# Altium PCB IntelligentCarFor51PcbDoc.PcbDoc (part 13 of 14) (continued)
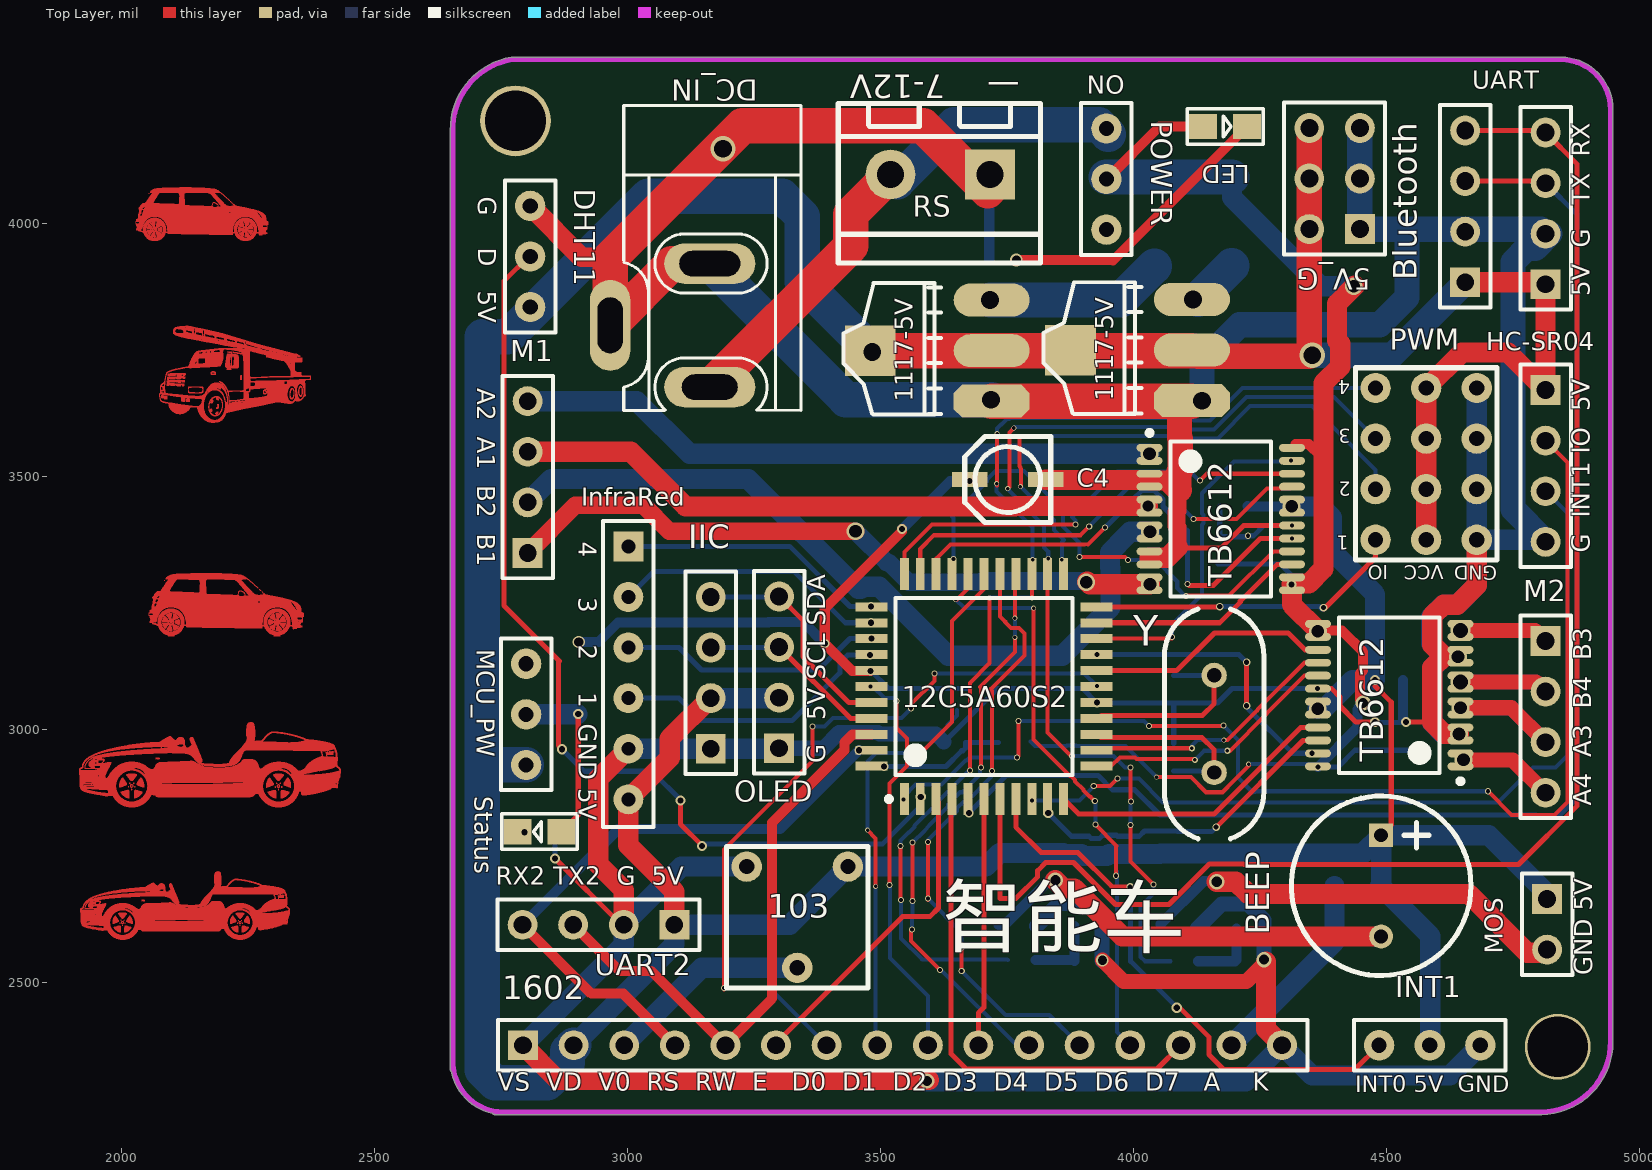
[diagram p0: Top Layer view]
## Nets (pads, with @x,y where several pads share a name; then routed paths per layer and width w, separated by ;. In a path a pad name is that pad's centre, name@x,y a point inside that pad or via, vN(x,y) a via of type N, cw(c..) or ccw(c..) an arc to the next point about the centre after c; other vN are vias at no path point) (continued)
2025,2903.4 ; 2016,2912.9 2025,2912.9 ; 2016.5,2902.4 2024.5,2902.4 ; 2017,2854.4 2044.5,2854.4 ; 2017,2901.9 2024,2901.9 ; 2017.5,2887.9 2018.5,2887.9 ; 2017.5,2888.4 2018.5,2888.4 ; 2017.5,2888.9 2018.5,2888.9 ; 2017.5,2889.4 2018.5,2889.4 ; 2017.5,2889.9 2018.5,2889.9 ; 2017.5,2901.4 2023.5,2901.4 ; 2018,2886.9 2019.5,2886.9 ; 2018,2887.4 2019,2887.4 ; 2018,2890.4 2019,2890.4 ; 2018,2900.4 2022.5,2900.4 ; 2018,2900.9 2023,2900.9 ; 2018,2969.9 2110.5,2969.9 ; 2018.5,2886.4 2022,2886.4 ; 2018.5,2890.9 2022.5,2890.9 ; 2018.5,2899.9 2022,2899.9 ; 2018.5,2958.9 2152,2958.9 ; 2019,2891.4 2021.5,2891.4 ; 2019,2899.4 2022,2899.4 ; 2019.5,2881.9 2021.5,2881.9 ; 2019.5,2882.4 2021.5,2882.4 ; 2019.5,2882.9 2021,2882.9 ; 2019.5,2885.9 2021,2885.9 ; 2020,2881.4 2020.5,2881.4 ; 2020.5,2846.9 2021.5,2846.9 ; 2021,2886.9 2022.5,2886.9 ; 2021.5,2890.4 2023,2890.4 ; 2021.5,2970.4 2111,2970.4 ; 2022,2887.4 2023,2887.4 ; 2022,2887.9 2023,2887.9 ; 2022,2889.9 2023,2889.9 ; 2022.5,2888.4 2023.5,2888.4 ; 2022.5,2888.9 2023.5,2888.9 ; 2022.5,2889.4 2023.5,2889.4 ; 2023.5,2893.4 2025,2893.4 ; 2023.5,2893.9 2025,2893.9 ; 2023.5,2894.4 2025,2894.4 ; 2024,2894.9 2025,2894.9 ; 2024.5,2919.9 2034.5,2919.9 ; 2025,2864.9 2026,2864.9 ; 2025,2865.4 2027.5,2865.4 ; 2025,2865.9 2029,2865.9 ; 2025,2866.4 2030.5,2866.4 ; 2025,2866.9 2031.5,2866.9 ; 2025,2867.4 2032.5,2867.4 ; 2025,2867.9 2033.5,2867.9 ; 2025,2868.4 2034,2868.4 ; 2025,2868.9 2034.5,2868.9 ; 2025,2869.4 2035.5,2869.4 ; 2025,2869.9 2036,2869.9 ; 2025,2870.4 2036.5,2870.4 ; 2025,2870.9 2037,2870.9 ; 2025,2871.4 2037.5,2871.4 ; 2025,2871.9 2038,2871.9 ; 2025,2872.4 2038.5,2872.4 ; 2025,2872.9 2039,2872.9 ; 2025,2873.4 2039.5,2873.4 ; 2025,2873.9 2040,2873.9 ; 2025,2874.4 2040.5,2874.4 ; 2025,2874.9 2040.5,2874.9 ; 2025,2875.4 2041,2875.4 ; 2025,2970.9 2103.5,2970.9 ; 2025.5,2875.9 2041.5,2875.9 ; 2025.5,2876.4 2041.5,2876.4 ; 2025.5,2876.9 2041.5,2876.9 ; 2025.5,2877.4 2041,2877.4 ; 2025.5,2877.9 2039,2877.9 ; 2025.5,2878.4 2037,2878.4 ; 2025.5,2878.9 2035,2878.9 ; 2025.5,2879.4 2033.5,2879.4 ; 2025.5,2886.9 2027.5,2886.9 ; 2025.5,2959.4 2152,2959.4 ; 2026,2857.9 2049,2857.9 ; 2026,2879.9 2032,2879.9 ; 2026,2880.4 2030.5,2880.4 ; 2026,2886.4 2027.5,2886.4 ; 2026,2887.4 2027,2887.4 ; 2027,2880.9 2028,2880.9 ; 2027.5,2919.4 2035.5,2919.4 ; 2028,2858.4 2049.5,2858.4 ; 2029,2918.9 2036.5,2918.9 ; 2029.5,2858.9 2050,2858.9 ; 2029.5,2971.4 2103.5,2971.4 ; 2030,2891.9 2045,2891.9 ; 2030,2892.4 2044.5,2892.4 ; 2030,2892.9 2044.5,2892.9 ; 2030.5,2891.4 2045,2891.4 ; 2030.5,2893.4 2044.5,2893.4 ; 2030.5,2893.9 2044.5,2893.9 ; 2030.5,2918.4 2037,2918.4 ; 2031,2859.4 2050.5,2859.4 ; 2031,2890.9 2045,2890.9 ; 2031,2894.4 2044.5,2894.4 ; 2031,2894.9 2044,2894.9 ; 2031,2959.9 2151.5,2959.9 ; 2031.5,2890.4 2045,2890.4 ; 2031.5,2895.4 2044,2895.4 ; 2031.5,2895.9 2044,2895.9 ; 2031.5,2924.9 2052.5,2924.9 ; 2032,2896.4 2043.5,2896.4 ; 2032,2917.9 2038,2917.9 ; 2032.5,2859.9 2051,2859.9 ; 2032.5,2896.9 2043.5,2896.9 ; 2032.5,2897.4 2043.5,2897.4 ; 2033,2889.9 2045,2889.9 ; 2033,2897.9 2043,2897.9 ; 2033,2917.4 2038.5,2917.4 ; 2033.5,2860.4 2051.5,2860.4 ; 2033.5,2898.4 2043,2898.4 ; 2033.5,2898.9 2043,2898.9 ; 2033.5,2924.4 2053.5,2924.4 ; 2033.5,2971.9 2104,2971.9 ; 2034,2899.4 2042.5,2899.4 ; 2034,2916.9 2039.5,2916.9 ; 2034.5,2889.4 2045,2889.4 ; 2034.5,2899.9 2042.5,2899.9 ; 2034.5,2900.4 2042,2900.4 ; 2034.5,2923.9 2054.5,2923.9 ; 2035,2860.9 2052,2860.9 ; 2035,2900.9 2042,2900.9 ; 2035,2916.4 2040,2916.4 ; 2035.5,2861.4 2052.5,2861.4 ; 2035.5,2901.4 2041.5,2901.4 ; 2035.5,2901.9 2041,2901.9 ; 2036,2888.9 2045,2888.9 ; 2036,2902.4 2041,2902.4 ; 2036,2915.9 2040.5,2915.9 ; 2036,2923.4 2055,2923.4 ; 2036.5,2861.9 2052.5,2861.9 ; 2036.5,2902.9 2040.5,2902.9 ; 2037,2862.4 2053,2862.4 ; 2037,2888.4 2045,2888.4 ; 2037,2903.4 2040,2903.4 ; 2037,2903.9 2040,2903.9 ; 2037,2915.4 2041,2915.4 ; 2037,2922.9 2056.5,2922.9 ; 2037.5,2904.4 2039.5,2904.4 ; 2037.5,2904.9 2039,2904.9 ; 2037.5,2914.9 2041.5,2914.9 ; 2037.5,2960.4 2151.5,2960.4 ; 2037.5,2972.4 2105.5,2972.4 ; 2038,2862.9 2053.5,2862.9 ; 2038,2922.4 2057.5,2922.4 ; 2038.5,2887.9 2045,2887.9 ; 2038.5,2914.4 2042,2914.4 ; 2039,2863.4 2054,2863.4 ; 2039,2913.9 2042.5,2913.9 ; 2039,2921.9 2058.5,2921.9 ; 2039.5,2863.9 2054.5,2863.9 ; 2039.5,2887.4 2045,2887.4 ; 2039.5,2913.4 2043,2913.4 ; 2040,2864.4 2055,2864.4 ; 2040,2921.4 2060.5,2921.4 ; 2040.5,2864.9 2055,2864.9 ; 2040.5,2912.9 2043.5,2912.9 ; 2040.5,2920.9 2321.5,2920.9 ; 2041,2865.4 2055.5,2865.4 ; 2041,2912.4 2044,2912.4 ; 2041,2920.4 2323,2920.4 ; 2041.5,2886.9 2045,2886.9 ; 2041.5,2911.9 2045,2911.9 ; 2041.5,2972.9 2125.5,2972.9 ; 2042,2865.9 2055.5,2865.9 ; 2042,2911.4 2289.5,2911.4 ; 2042,2919.9 2308,2919.9 ; 2042.5,2866.4 2056,2866.4 ; 2042.5,2910.9 2288.5,2910.9 ; 2042.5,2919.4 2304.5,2919.4 ; 2043,2866.9 2056.5,2866.9 ; 2043,2867.4 2056.5,2867.4 ; 2043,2886.4 2045,2886.4 ; 2043,2910.4 2288,2910.4 ; 2043,2918.9 2302.5,2918.9 ; 2043.5,2867.9 2057,2867.9 ; 2043.5,2909.9 2288,2909.9 ; 2043.5,2918.4 2301,2918.4 ; 2044,2868.4 2057.5,2868.4 ; 2044,2909.4 2287.5,2909.4 ; 2044,2917.9 2299.5,2917.9 ; 2044,2960.9 2151.5,2960.9 ; 2044.5,2868.9 2057.5,2868.9 ; 2044.5,2908.9 2287,2908.9 ; 2044.5,2916.9 2297,2916.9 ; 2044.5,2917.4 2298.5,2917.4 ; 2045,2869.4 2058,2869.4 ; 2045,2908.4 2286.5,2908.4 ; 2045,2916.4 2296,2916.4 ; 2045.5,2869.9 2058,2869.9 ; 2045.5,2870.4 2058,2870.4 ; 2045.5,2907.4 2285.5,2907.4 ; 2045.5,2907.9 2286,2907.9 ; 2045.5,2915.4 2294.5,2915.4 ; 2045.5,2915.9 2295,2915.9 ; 2046,2870.9 2058.5,2870.9 ; 2046,2906.4 2285,2906.4 ; 2046,2906.9 2285.5,2906.9 ; 2046,2911.9 2290,2911.9 ; 2046,2913.4 2291.5,2913.4 ; 2046,2913.9 2292,2913.9 ; 2046,2914.4 2293,2914.4 ; 2046,2914.9 2294,2914.9 ; 2046,2973.4 2125.5,2973.4 ; 2046.5,2871.4 2059,2871.4 ; 2046.5,2871.9 2263,2871.9 ; 2046.5,2905.9 2284.5,2905.9 ; 2046.5,2912.4 2290.5,2912.4 ; 2046.5,2912.9 2291,2912.9 ; 2047,2872.4 2263.5,2872.4 ; 2047,2904.9 2284,2904.9 ; 2047,2905.4 2284.5,2905.4 ; 2047.5,2872.9 2264,2872.9 ; 2047.5,2873.4 2264.5,2873.4 ; 2047.5,2904.4 2283.5,2904.4 ; 2048,2873.9 2264.5,2873.9 ; 2048,2874.4 2265,2874.4 ; 2048,2903.4 2283,2903.4 ; 2048,2903.9 2283.5,2903.9 ; 2048.5,2874.9 2282.5,2874.9 ; 2048.5,2902.4 2282.5,2902.4 ; 2048.5,2902.9 2283,2902.9 ; 2049,2875.4 2282.5,2875.4 ; 2049,2875.9 2282,2875.9 ; 2049,2876.4 2282,2876.4 ; 2049,2900.9 2282,2900.9 ; 2049,2901.4 2282,2901.4 ; 2049,2901.9 2282.5,2901.9 ; 2049.5,2876.9 2281.5,2876.9 ; 2049.5,2877.4 2281.5,2877.4 ; 2049.5,2877.9 2281.5,2877.9 ; 2049.5,2899.9 2281.5,2899.9 ; 2049.5,2900.4 2281.5,2900.4 ; 2050,2878.4 2281,2878.4 ; 2050,2878.9 2281,2878.9 ; 2050,2898.4 2281,2898.4 ; 2050,2898.9 2281,2898.9 ; 2050,2899.4 2281.5,2899.4 ; 2050.5,2879.4 2281,2879.4 ; 2050.5,2879.9 2280.5,2879.9 ; 2050.5,2880.4 2280.5,2880.4 ; 2050.5,2896.9 2280.5,2896.9 ; 2050.5,2897.4 2280.5,2897.4 ; 2050.5,2897.9 2281,2897.9 ; 2051,2880.9 2280.5,2880.9 ; 2051,2881.4 2280,2881.4 ; 2051,2881.9 2280,2881.9 ; 2051,2882.4 2280,2882.4 ; 2051,2882.9 2280,2882.9 ; 2051,2894.9 2073.5,2894.9 ; 2051,2895.4 2151,2895.4 ; 2051,2895.9 2200.5,2895.9 ; 2051,2896.4 2240.5,2896.4 ; 2051,2961.4 2151,2961.4 ; 2051,2973.9 2125.5,2973.9 ; 2051.5,2883.4 2280,2883.4 ; 2051.5,2883.9 2280,2883.9 ; 2051.5,2884.4 2280,2884.4 ; 2051.5,2884.9 2279.5,2884.9 ; 2051.5,2885.4 2279.5,2885.4 ; 2051.5,2885.9 2279.5,2885.9 ; 2051.5,2886.4 2279.5,2886.4 ; 2051.5,2886.9 2279.5,2886.9 ; 2051.5,2890.9 2279.5,2890.9 ; 2051.5,2891.4 2279.5,2891.4 ; 2051.5,2891.9 2279.5,2891.9 ; 2051.5,2892.4 2100,2892.4 ; 2051.5,2892.9 2087,2892.9 ; 2051.5,2893.4 2079.5,2893.4 ; 2051.5,2893.9 2075.5,2893.9 ; 2051.5,2894.4 2073.5,2894.4 ; 2052,2887.4 2279.5,2887.4 ; 2052,2887.9 2279.5,2887.9 ; 2052,2888.4 2279.5,2888.4 ; 2052,2888.9 2279.5,2888.9 ; 2052,2889.4 2279.5,2889.4 ; 2052,2889.9 2279.5,2889.9 ; 2052,2890.4 2279.5,2890.4 ; 2057.5,2974.4 2125.5,2974.4 ; 2059.5,2961.9 2151,2961.9 ; 2061.5,2921.4 2319,2921.4 ; 2063,2921.9 2316,2921.9 ; 2063,2974.9 2074.5,2974.9 ; 2063.5,2871.4 2263,2871.4 ; 2063.5,2922.4 2315,2922.4 ; 2064,2922.9 2315,2922.9 ; 2064.5,2923.4 2274,2923.4 ; 2065,2923.9 2273.5,2923.9 ; 2065,2924.4 2273,2924.4 ; 2065.5,2924.9 2272.5,2924.9 ; 2065.5,2925.4 2181,2925.4 ; 2066,2925.9 2175,2925.9 ; 2066.5,2926.4 2169.5,2926.4 ; 2066.5,2926.9 2166,2926.9 ; 2067,2870.9 2262.5,2870.9 ; 2067,2927.4 2163,2927.4 ; 2067,2927.9 2161,2927.9 ; 2067,2928.4 2159,2928.4 ; 2067.5,2869.9 2261.5,2869.9 ; 2067.5,2870.4 2262,2870.4 ; 2067.5,2928.9 2158,2928.9 ; 2068,2869.4 2261,2869.4 ; 2068,2929.4 2156.5,2929.4 ; 2068,2929.9 2155,2929.9 ; 2068,2941.9 2069,2941.9 ; 2068,2942.4 2069,2942.4 ; 2068,2942.9 2068.5,2942.9 ; 2068,2943.4 2068.5,2943.4 ; 2068,2943.9 2075,2943.9 ; 2068,2944.4 2074,2944.4 ; 2068.5,2868.9 2260,2868.9 ; 2068.5,2930.4 2154,2930.4 ; 2069,2868.4 2259,2868.4 ; 2069,2930.9 2153.5,2930.9 ; 2069.5,2931.4 2152.5,2931.4 ; 2069.5,2943.4 2075.5,2943.4 ; 2069.5,2962.4 2151,2962.4 ; 2070,2867.9 2257.5,2867.9 ; 2070,2931.9 2151.5,2931.9 ; 2070,2942.9 2075,2942.9 ; 2070.5,2932.4 2150.5,2932.4 ; 2071,2932.9 2149.5,2932.9 ; 2071,2942.4 2075,2942.4 ; 2071.5,2867.4 2255,2867.4 ; 2071.5,2941.9 2075,2941.9 ; 2072,2933.4 2149,2933.4 ; 2072.5,2933.9 2148,2933.9 ; 2073.5,2934.4 2147.5,2934.4 ; 2075,2934.9 2147,2934.9 ; 2075,2974.9 2107,2974.9 ; 2076,2975.4 2106.5,2975.4 ; 2076.5,2975.9 2105.5,2975.9 ; 2077.5,2935.4 2146,2935.4 ; 2077.5,2966.4 2079.5,2966.4 ; 2077.5,2976.4 2105,2976.4 ; 2078,2962.9 2150.5,2962.9 ; 2078,2965.9 2079,2965.9 ; 2078,2976.9 2104,2976.9 ; 2078.5,2963.4 2080,2963.4 ; 2078.5,2963.9 2079.5,2963.9 ; 2078.5,2964.4 2079.5,2964.4 ; 2078.5,2964.9 2079.5,2964.9 ; 2078.5,2965.4 2079.5,2965.4 ; 2079,2977.4 2103,2977.4 ; 2080,2977.9 2102.5,2977.9 ; 2080.5,2978.4 2102,2978.4 ; 2081.5,2978.9 2101.5,2978.9 ; 2082,2979.4 2100.5,2979.4 ; 2083,2979.9 2100,2979.9 ; 2084,2980.4 2099.5,2980.4 ; 2084.5,2966.4 2105.5,2966.4 ; 2085,2980.9 2099,2980.9 ; 2085.5,2981.4 2098,2981.4 ; 2086.5,2981.9 2097.5,2981.9 ; 2087,2963.4 2150.5,2963.4 ; 2087,2982.4 2097,2982.4 ; 2088,2982.9 2097,2982.9 ; 2088.5,2965.9 2105.5,2965.9 ; 2089,2983.4 2096,2983.4 ; 2090,2983.9 2095.5,2983.9 ; 2090.5,2984.4 2095.5,2984.4 ; 2091.5,2984.9 2096,2984.9 ; 2092,2935.9 2145,2935.9 ; 2092,2965.4 2124.5,2965.4 ; 2092.5,2985.4 2099,2985.4 ; 2093.5,2985.9 2098,2985.9 ; 2094.5,2964.9 2124.5,2964.9 ; 2094.5,2986.4 2097.5,2986.4 ; 2096.5,2984.9 2099,2984.9 ; 2097,2963.9 2125,2963.9 ; 2097,2964.4 2124.5,2964.4 ; 2097,2984.4 2099.5,2984.4 ; 2097.5,2983.9 2100,2983.9 ; 2098,2983.4 2100.5,2983.4 ; 2098.5,2982.9 2101,2982.9 ; 2099,2982.4 2101.5,2982.4 ; 2099.5,2981.9 2102.5,2981.9 ; 2100,2981.4 2103,2981.4 ; 2100.5,2954.4 2154,2954.4 ; 2100.5,2980.9 2103.5,2980.9 ; 2101,2980.4 2104,2980.4 ; 2102,2979.9 2105,2979.9 ; 2102.5,2979.4 2105.5,2979.4 ; 2103,2978.9 2106.5,2978.9 ; 2103.5,2978.4 2107,2978.4 ; 2104.5,2977.9 2125,2977.9 ; 2105,2936.4 2144.5,2936.4 ; 2105.5,2977.4 2125,2977.4 ; 2106,2976.9 2125,2976.9 ; 2106.5,2965.9 2116.5,2965.9 ; 2106.5,2970.9 2113,2970.9 ; 2107,2966.4 2114,2966.4 ; 2107,2971.4 2125.5,2971.4 ; 2107,2976.4 2125.5,2976.4 ; 2107.5,2966.9 2112.5,2966.9 ; 2107.5,2971.9 2125.5,2971.9 ; 2107.5,2972.4 2125.5,2972.4 ; 2107.5,2975.9 2125.5,2975.9 ; 2108,2967.4 2111.5,2967.4 ; 2108,2978.4 2125,2978.4 ; 2108,2978.9 2124.5,2978.9 ; 2108.5,2974.9 2125.5,2974.9 ; 2108.5,2975.4 2125.5,2975.4 ; 2108.5,2979.4 2124.5,2979.4 ; 2109,2967.9 2110.5,2967.9 ; 2109,2979.9 2124.5,2979.9 ; 2109,2980.4 2124,2980.4 ; 2109.5,2980.9 2124,2980.9 ; 2110,2981.4 2114.5,2981.4 ; 2110,2981.9 2114.5,2981.9 ; 2110.5,2982.4 2115.5,2982.4 ; 2111.5,2982.9 2122.5,2982.9 ; 2112,2983.4 2122,2983.4 ; 2112.5,2983.9 2121.5,2983.9 ; 2113.5,2984.4 2120.5,2984.4 ; 2115,2981.4 2123.5,2981.4 ; 2115,2984.9 2119,2984.9 ; 2116,2936.9 2143.5,2936.9 ; 2118,2981.9 2123.5,2981.9 ; 2119,2982.4 2123,2982.4 ; 2119.5,2965.9 2124.5,2965.9 ; 2120.5,2953.9 2154,2953.9 ; 2121,2966.4 2124,2966.4 ; 2121.5,2966.9 2123.5,2966.9 ; 2122,2967.4 2123.5,2967.4 ; 2122,2970.9 2125.5,2970.9 ; 2122.5,2967.9 2123.5,2967.9 ; 2122.5,2968.4 2126.5,2968.4 ; 2122.5,2970.4 2125.5,2970.4 ; 2123,2968.9 2126,2968.9 ; 2123,2969.4 2125.5,2969.4 ; 2123,2969.9 2125.5,2969.9 ; 2124.5,2967.4 2127,2967.4 ; 2124.5,2967.9 2126.5,2967.9 ; 2125,2966.4 2127,2966.4 ; 2125,2966.9 2127,2966.9 ; 2125.5,2963.9 2150,2963.9 ; 2125.5,2964.9 2128,2964.9 ; 2125.5,2965.4 2127.5,2965.4 ; 2125.5,2965.9 2127,2965.9 ; 2126,2937.4 2142.5,2937.4 ; 2126,2953.4 2154.5,2953.4 ; 2126,2964.4 2130,2964.4 ; 2129.5,2952.9 2154.5,2952.9 ; 2131,2952.4 2155,2952.4 ; 2132.5,2951.9 2155,2951.9 ; 2132.5,2964.4 2150,2964.4 ; 2133,2964.9 2149.5,2964.9 ; 2134,2951.4 2155,2951.4 ; 2134,2965.4 2149.5,2965.4 ; 2134.5,2965.9 2149.5,2965.9 ; 2135,2950.9 2155.5,2950.9 ; 2135,2966.4 2149,2966.4 ; 2135.5,2979.9 2143.5,2979.9 ; 2135.5,2980.4 2143.5,2980.4 ; 2135.5,2980.9 2143,2980.9 ; 2135.5,2981.4 2143,2981.4 ; 2135.5,2981.9 2142.5,2981.9 ; 2135.5,2982.4 2142.5,2982.4 ; 2136,2937.9 2140,2937.9 ; 2136,2950.4 2155.5,2950.4 ; 2136,2966.9 2149,2966.9 ; 2136,2978.4 2144.5,2978.4 ; 2136,2978.9 2144,2978.9 ; 2136,2979.4 2144,2979.4 ; 2136,2982.9 2142.5,2982.9 ; 2136,2983.4 2142,2983.4 ; 2136.5,2967.4 2148.5,2967.4 ; 2136.5,2977.4 2144.5,2977.4 ; 2136.5,2977.9 2144.5,2977.9 ; 2136.5,2983.9 2141.5,2983.9 ; 2137,2949.9 2156,2949.9 ; 2137,2967.9 2148.5,2967.9 ; 2137,2975.9 2145,2975.9 ; 2137,2976.4 2145,2976.4 ; 2137,2976.9 2145,2976.9 ; 2137,2984.4 2141,2984.4 ; 2137.5,2974.9 2145.5,2974.9 ; 2137.5,2975.4 2145.5,2975.4 ; 2138,2949.4 2156,2949.4 ; 2138,2968.4 2148,2968.4 ; 2138,2973.9 2146,2973.9 ; 2138,2974.4 2146,2974.4 ; 2138,2984.9 2140,2984.9 ; 2138.5,2948.9 2156.5,2948.9 ; 2138.5,2968.9 2148,2968.9 ; 2138.5,2972.4 2146.5,2972.4 ; 2138.5,2972.9 2146.5,2972.9 ; 2138.5,2973.4 2146,2973.4 ; 2139,2948.4 2156.5,2948.4 ; 2139,2969.4 2148,2969.4 ; 2139,2970.9 2147.5,2970.9 ; 2139,2971.4 2147,2971.4 ; 2139,2971.9 2147,2971.9 ; 2139.5,2969.9 2147.5,2969.9 ; 2139.5,2970.4 2147.5,2970.4 ; 2140,2947.4 2157,2947.4 ; 2140,2947.9 2156.5,2947.9 ; 2141,2946.9 2157,2946.9 ; 2141.5,2946.4 2157,2946.4 ; 2142,2945.4 2157.5,2945.4 ; 2142,2945.9 2157.5,2945.9 ; 2142.5,2944.9 2158,2944.9 ; 2143,2944.4 2158,2944.4 ; 2143.5,2943.9 2158,2943.9 ; 2144,2942.9 2158.5,2942.9 ; 2144,2943.4 2158.5,2943.4 ; 2144.5,2942.4 2149,2942.4 ; 2145,2941.4 2149,2941.4 ; 2145,2941.9 2149,2941.9 ; 2145.5,2940.9 2149.5,2940.9 ; 2146,2940.4 2150,2940.4 ; 2146.5,2939.9 2150,2939.9 ; 2147,2938.9 2151,2938.9 ; 2147,2939.4 2150.5,2939.4 ; 2147.5,2938.4 2151,2938.4 ; 2148,2937.9 2151.5,2937.9 ; 2148.5,2937.4 2152,2937.4 ; 2149,2936.9 2152.5,2936.9 ; 2149.5,2936.4 2153,2936.4 ; 2150.5,2935.9 2159,2935.9 ; 2150.5,2942.4 2159,2942.4 ; 2151,2935.4 2154,2935.4 ; 2151,2941.4 2159.5,2941.4 ; 2151,2941.9 2159,2941.9 ; 2151.5,2934.9 2154.5,2934.9 ; 2151.5,2940.4 2159.5,2940.4 ; 2151.5,2940.9 2159.5,2940.9 ; 2152,2934.4 2155.5,2934.4 ; 2152,2939.4 2160,2939.4 ; 2152,2939.9 2160,2939.9 ; 2152.5,2938.4 2160,2938.4 ; 2152.5,2938.9 2160,2938.9 ; 2153,2933.9 2156.5,2933.9 ; 2153,2936.9 2159.5,2936.9 ; 2153,2937.4 2160,2937.4 ; 2153,2937.9 2160,2937.9 ; 2153.5,2933.4 2157.5,2933.4 ; 2153.5,2936.4 2159,2936.4 ; 2154,2932.9 2163,2932.9 ; 2154.5,2935.4 2158,2935.4 ; 2155,2932.4 2171.5,2932.4 ; 2156.5,2931.9 2182,2931.9 ; 2157,2931.4 2224.5,2931.4 ; 2158.5,2930.9 2223,2930.9 ; 2160,2930.4 2222,2930.4 ; 2162,2929.9 2220,2929.9 ; 2164,2929.4 2218.5,2929.4 ; 2167,2928.9 2216,2928.9 ; 2171,2928.4 2213.5,2928.4 ; 2176,2927.9 2210,2927.9 ; 2181.5,2892.4 2279.5,2892.4 ; 2183,2927.4 2205.5,2927.4 ; 2200,2931.9 2225.5,2931.9 ; 2204,2892.9 2280,2892.9 ; 2205.5,2925.4 2272.5,2925.4 ; 2207,2932.4 2226.5,2932.4 ; 2209.5,2932.9 2227,2932.9 ; 2211,2925.9 2272,2925.9 ; 2212,2933.4 2228,2933.4 ; 2213,2933.9 2228.5,2933.9 ; 2213,2934.4 2229,2934.4 ; 2213,2934.9 2229.5,2934.9 ; 2213.5,2935.4 2230.5,2935.4 ; 2213.5,2935.9 2231,2935.9 ; 2214,2936.4 2231.5,2936.4 ; 2214,2936.9 2231.5,2936.9 ; 2214,2937.4 2232,2937.4 ; 2214.5,2937.9 2232.5,2937.9 ; 2214.5,2938.4 2233,2938.4 ; 2215,2938.9 2233,2938.9 ; 2215,2939.4 2233.5,2939.4 ; 2215.5,2926.4 2272,2926.4 ; 2215.5,2939.9 2234,2939.9 ; 2216,2940.4 2234,2940.4 ; 2216,2940.9 2234.5,2940.9 ; 2216.5,2941.4 2235,2941.4 ; 2217,2941.9 2235,2941.9 ; 2217,2942.4 2235,2942.4 ; 2217.5,2942.9 2235.5,2942.9 ; 2218,2926.9 2271.5,2926.9 ; 2218,2943.4 2235.5,2943.4 ; 2218,2943.9 2236,2943.9 ; 2218.5,2944.4 2236,2944.4 ; 2219,2944.9 2236.5,2944.9 ; 2219.5,2945.4 2236.5,2945.4 ; 2220,2927.4 2271.5,2927.4 ; 2220,2945.9 2236.5,2945.9 ; 2220,2946.4 2237,2946.4 ; 2220.5,2946.9 2237,2946.9 ; 2221,2893.4 2280,2893.4 ; 2221,2947.4 2237.5,2947.4 ; 2221.5,2947.9 2237.5,2947.9 ; 2222,2927.9 2271.5,2927.9 ; 2222,2948.4 2238,2948.4 ; 2222.5,2948.9 2238,2948.9 ; 2223,2949.4 2238,2949.4 ; 2223.5,2928.4 2271,2928.4 ; 2223.5,2949.9 2238,2949.9 ; 2224,2950.4 2238.5,2950.4 ; 2224.5,2950.9 2238.5,2950.9 ; 2225,2928.9 2271,2928.9 ; 2225,2951.4 2239,2951.4 ; 2225.5,2951.9 2239,2951.9 ; 2225.5,2952.4 2239,2952.4 ; 2226,2952.9 2239.5,2952.9 ; 2226.5,2929.4 2271,2929.4 ; 2226.5,2953.4 2240,2953.4 ; 2227,2953.9 2240,2953.9 ; 2228,2929.9 2270.5,2929.9 ; 2228,2954.4 2240.5,2954.4 ; 2228,2954.9 2240.5,2954.9 ; 2228.5,2955.4 2241,2955.4 ; 2229,2930.4 2270.5,2930.4 ; 2229,2955.9 2241,2955.9 ; 2229.5,2956.4 2241,2956.4 ; 2230,2930.9 2270.5,2930.9 ; 2230.5,2956.9 2241.5,2956.9 ; 2231,2931.4 2270,2931.4 ; 2231,2957.4 2241.5,2957.4 ; 2231,2957.9 2242,2957.9 ; 2231.5,2931.9 2270,2931.9 ; 2232,2958.4 2242.5,2958.4 ; 2232,2958.9 2242.5,2958.9 ; 2232.5,2893.9 2280,2893.9 ; 2232.5,2932.4 2269.5,2932.4 ; 2232.5,2959.4 2244.5,2959.4 ; 2233,2932.9 2269.5,2932.9 ; 2233,2959.9 2411.5,2959.9 ; 2233.5,2960.4 2413,2960.4 ; 2234,2933.4 2269,2933.4 ; 2234,2960.9 2415,2960.9 ; 2234.5,2933.9 2269,2933.9 ; 2234.5,2961.4 2416.5,2961.4 ; 2235,2934.4 2268.5,2934.4 ; 2235,2961.9 2418.5,2961.9 ; 2235.5,2934.9 2268.5,2934.9 ; 2235.5,2962.4 2423.5,2962.4 ; 2236,2935.4 2268,2935.4 ; 2236,2962.9 2423.5,2962.9 ; 2236.5,2935.9 2267.5,2935.9 ; 2236.5,2963.4 2423.5,2963.4 ; 2237,2936.4 2267.5,2936.4 ; 2237,2963.9 2423,2963.9 ; 2237.5,2936.9 2267,2936.9 ; 2237.5,2964.4 2423,2964.4 ; 2238,2937.4 2266.5,2937.4 ; 2238,2937.9 2266,2937.9 ; 2238,2964.9 2422.5,2964.9 ; 2238,2965.4 2422.5,2965.4 ; 2238.5,2938.4 2265.5,2938.4 ; 2238.5,2965.9 2422,2965.9 ; 2239,2938.9 2264.5,2938.9 ; 2239,2966.4 2422,2966.4 ; 2239,2966.9 2422,2966.9 ; 2239.5,2939.4 2264,2939.4 ; 2239.5,2967.4 2421.5,2967.4 ; 2240,2939.9 2263,2939.9 ; 2240,2967.9 2421.5,2967.9 ; 2240.5,2894.4 2280,2894.4 ; 2240.5,2940.4 2262,2940.4 ; 2240.5,2968.4 2421,2968.4 ; 2241,2968.9 2420.5,2968.9 ; 2241.5,2940.9 2260,2940.9 ; 2241.5,2969.4 2420,2969.4 ; 2241.5,2969.9 2419,2969.9 ; 2242,2970.4 2418.5,2970.4 ; 2242.5,2970.9 2417.5,2970.9 ; 2243,2971.4 2416.5,2971.4 ; 2243.5,2971.9 2415,2971.9 ; 2244,2972.4 2414,2972.4 ; 2244,2972.9 2412.5,2972.9 ; 2244.5,2973.4 2411.5,2973.4 ; 2245,2973.9 2410,2973.9 ; 2245.5,2974.4 2329,2974.4 ; 2245.5,2974.9 2316,2974.9 ; 2246,2894.9 2280,2894.9 ; 2246,2975.4 2306.5,2975.4 ; 2246,2975.9 2298,2975.9 ; 2246.5,2976.4 2279,2976.4 ; 2247,2976.9 2279,2976.9 ; 2247,2977.4 2263,2977.4 ; 2247,2977.9 2263,2977.9 ; 2247,2988.9 2264.5,2988.9 ; 2247,2989.4 2264.5,2989.4 ; 2247,2989.9 2264.5,2989.9 ; 2247,2990.4 2264.5,2990.4 ; 2247,2990.9 2264.5,2990.9 ; 2247,2991.4 2264.5,2991.4 ; 2247,2991.9 2264.5,2991.9 ; 2247,2992.4 2264.5,2992.4 ; 2247,2992.9 2264.5,2992.9 ; 2247,2993.4 2264.5,2993.4 ; 2247,2993.9 2264.5,2993.9 ; 2247,2994.4 2264.5,2994.4 ; 2247,2994.9 2264.5,2994.9 ; 2247,2995.4 2264.5,2995.4 ; 2247,2995.9 2264.5,2995.9 ; 2247,2996.4 2264.5,2996.4 ; 2247,2996.9 2264.5,2996.9 ; 2247,2997.4 2264.5,2997.4 ; 2247,2997.9 2264.5,2997.9 ; 2247,2998.4 2264.5,2998.4 ; 2247,2998.9 2264.5,2998.9 ; 2247,2999.4 2264.5,2999.4 ; 2247,2999.9 2264.5,2999.9 ; 2247,3000.4 2264,3000.4 ; 2247,3000.9 2264,3000.9 ; 2247,3001.4 2264,3001.4 ; 2247,3001.9 2264,3001.9 ; 2247.5,2978.4 2263,2978.4 ; 2247.5,2978.9 2263,2978.9 ; 2247.5,2986.9 2264.5,2986.9 ; 2247.5,2987.4 2264.5,2987.4 ; 2247.5,2987.9 2264.5,2987.9 ; 2247.5,2988.4 2264.5,2988.4 ; 2247.5,3002.4 2264,3002.4 ; 2247.5,3002.9 2264,3002.9 ; 2247.5,3003.4 2264,3003.4 ; 2247.5,3003.9 2264,3003.9 ; 2247.5,3004.4 2263.5,3004.4 ; 2247.5,3004.9 2263.5,3004.9 ; 2247.5,3005.4 2263.5,3005.4 ; 2247.5,3005.9 2263.5,3005.9 ; 2247.5,3006.4 2263.5,3006.4 ; 2248,2979.4 2263.5,2979.4 ; 2248,2979.9 2263.5,2979.9 ; 2248,2980.4 2263.5,2980.4 ; 2248,2980.9 2263.5,2980.9 ; 2248,2981.4 2263.5,2981.4 ; 2248,2985.4 2264,2985.4 ; 2248,2985.9 2264,2985.9 ; 2248,2986.4 2264,2986.4 ; 2248,3006.9 2263.5,3006.9 ; 2248,3007.4 2263,3007.4 ; 2248,3007.9 2263,3007.9 ; 2248,3008.4 2263,3008.4 ; 2248,3008.9 2263,3008.9 ; 2248.5,2981.9 2263.5,2981.9 ; 2248.5,2982.4 2264,2982.4 ; 2248.5,2982.9 2264,2982.9 ; 2248.5,2983.4 2264,2983.4 ; 2248.5,2983.9 2264,2983.9 ; 2248.5,2984.4 2264,2984.4 ; 2248.5,2984.9 2264,2984.9 ; 2248.5,3009.4 2263,3009.4 ; 2248.5,3009.9 2262.5,3009.9 ; 2249,3010.4 2262.5,3010.4 ; 2249,3010.9 2262.5,3010.9 ; 2249.5,3011.4 2262,3011.4 ; 2250,3011.9 2262,3011.9 ; 2250.5,3012.4 2261.5,3012.4 ; 2251,2895.4 2280,2895.4 ; 2251,3012.9 2261,3012.9 ; 2252,3013.4 2260,3013.4 ; 2253.5,3013.9 2259,3013.9 ; 2255,2895.9 2280,2895.9 ; 2255.5,3014.4 2257,3014.4 ; 2257,2896.4 2280.5,2896.4 ; 2265.5,2977.4 2279.5,2977.4 ; 2266,2874.4 2283,2874.4 ; 2269,2873.9 2283,2873.9 ; 2270.5,2977.9 2279.5,2977.9 ; 2271.5,2873.4 2283.5,2873.4 ; 2272,2872.4 2284,2872.4 ; 2272,2872.9 2283.5,2872.9 ; 2272.5,2871.4 2284.5,2871.4 ; 2272.5,2871.9 2284.5,2871.9 ; 2273,2870.4 2285.5,2870.4 ; 2273,2870.9 2285,2870.9 ; 2273.5,2869.4 2286,2869.4 ; 2273.5,2869.9 2285.5,2869.9 ; 2274,2868.4 2287,2868.4 ; 2274,2868.9 2286.5,2868.9 ; 2274.5,2867.4 2288,2867.4 ; 2274.5,2867.9 2287.5,2867.9 ; 2275,2866.9 2288,2866.9 ; 2275.5,2865.9 2289,2865.9 ; 2275.5,2866.4 2288.5,2866.4 ; 2276,2865.4 2285,2865.4 ; 2276.5,2864.4 2285.5,2864.4 ; 2276.5,2864.9 2285,2864.9 ; 2277,2863.9 2285.5,2863.9 ; 2277,2923.4 2315,2923.4 ; 2277.5,2863.4 2286,2863.4 ; 2277.5,2978.4 2280,2978.4 ; 2278,2862.4 2287,2862.4 ; 2278,2862.9 2286.5,2862.9 ; 2278,2923.9 2316,2923.9 ; 2278,2978.9 2280.5,2978.9 ; 2278.5,2861.9 2287.5,2861.9 ; 2278.5,2979.4 2281,2979.4 ; 2279,2861.4 2288,2861.4 ; 2279,2924.4 2316.5,2924.4 ; 2279,2979.9 2281,2979.9 ; 2279.5,2860.9 2288.5,2860.9 ; 2279.5,2924.9 2318,2924.9 ; 2279.5,2980.4 2281.5,2980.4 ; 2279.5,2980.9 2282,2980.9 ; 2280,2860.4 2289,2860.4 ; 2280,2925.4 2342.5,2925.4 ; 2280,2981.4 2282.5,2981.4 ; 2280.5,2859.9 2289.5,2859.9 ; 2280.5,2925.9 2342,2925.9 ; 2280.5,2981.9 2283,2981.9 ; 2281,2859.4 2290,2859.4 ; 2281,2982.4 2283.5,2982.4 ; 2281,2982.9 2283.5,2982.9 ; 2281.5,2858.9 2291,2858.9 ; 2281.5,2926.4 2341,2926.4 ; 2282,2858.4 2291.5,2858.4 ; 2282,2926.9 2340.5,2926.9 ; 2282,2983.4 2284.5,2983.4 ; 2282,2983.9 2285,2983.9 ; 2282.5,2857.9 2292.5,2857.9 ; 2282.5,2984.4 2285,2984.4 ; 2283,2857.4 2293.5,2857.4 ; 2283,2927.4 2340,2927.4 ; 2283,2984.9 2285.5,2984.9 ; 2283.5,2856.9 2294.5,2856.9 ; 2283.5,2927.9 2339,2927.9 ; 2283.5,2985.4 2286,2985.4 ; 2284,2856.4 2295.5,2856.4 ; 2284,2985.9 2286.5,2985.9 ; 2284.5,2928.4 2338.5,2928.4 ; 2284.5,2986.4 2287,2986.4 ; 2285,2855.9 2297,2855.9 ; 2285,2928.9 2337.5,2928.9 ; 2285,2986.9 2287.5,2986.9 ; 2285.5,2855.4 2298.5,2855.4 ; 2285.5,2865.4 2290,2865.4 ; 2285.5,2987.4 2288,2987.4 ; 2286,2854.9 2300.5,2854.9 ; 2286,2864.9 2290.5,2864.9 ; 2286,2887.4 2292,2887.4 ; 2286,2887.9 2293,2887.9 ; 2286,2888.4 2294.5,2888.4 ; 2286,2888.9 2295.5,2888.9 ; 2286,2889.4 2297,2889.4 ; 2286,2889.9 2298.5,2889.9 ; 2286,2890.4 2299.5,2890.4 ; 2286,2929.4 2336.5,2929.4 ; 2286,2987.9 2288.5,2987.9 ; 2286.5,2864.4 2291,2864.4 ; 2286.5,2885.9 2287.5,2885.9 ; 2286.5,2886.4 2288.5,2886.4 ; 2286.5,2886.9 2290,2886.9 ; 2286.5,2890.9 2300.5,2890.9 ; 2286.5,2891.4 2301,2891.4 ; 2286.5,2891.9 2301,2891.9 ; 2286.5,2892.4 2301,2892.4 ; 2286.5,2892.9 2301,2892.9 ; 2286.5,2893.4 2301,2893.4 ; 2286.5,2988.4 2289,2988.4 ; 2287,2854.4 2303,2854.4 ; 2287,2893.9 2300.5,2893.9 ; 2287,2894.4 2300.5,2894.4 ; 2287,2894.9 2300,2894.9 ; 2287,2895.4 2299.5,2895.4 ; 2287,2895.9 2299.5,2895.9 ; 2287,2929.9 2335.5,2929.9 ; 2287,2988.9 2289.5,2988.9 ; 2287.5,2853.9 2334,2853.9 ; 2287.5,2863.9 2291.5,2863.9 ; 2287.5,2896.4 2299,2896.4 ; 2287.5,2896.9 2298.5,2896.9 ; 2287.5,2989.4 2290.5,2989.4 ; 2288,2863.4 2292,2863.4 ; 2288,2897.4 2298.5,2897.4 ; 2288,2897.9 2298,2897.9 ; 2288,2898.4 2297.5,2898.4 ; 2288,2930.4 2335,2930.4 ; 2288,2989.9 2291,2989.9 ; 2288.5,2853.4 2333,2853.4 ; 2288.5,2862.9 2293,2862.9 ; 2288.5,2898.9 2297.5,2898.9 ; 2288.5,2990.4 2291.5,2990.4 ; 2289,2852.9 2332.5,2852.9 ; 2289,2862.4 2294,2862.4 ; 2289,2899.4 2297,2899.4 ; 2289,2899.9 2296.5,2899.9 ; 2289,2900.4 2296.5,2900.4 ; 2289,2930.9 2334,2930.9 ; 2289,2990.9 2292,2990.9 ; 2289.5,2861.9 2294.5,2861.9 ; 2289.5,2876.4 2306,2876.4 ; 2289.5,2876.9 2306,2876.9 ; 2289.5,2900.9 2296,2900.9 ; 2289.5,2901.4 2295.5,2901.4 ; 2289.5,2991.4 2293,2991.4 ; 2290,2852.4 2331.5,2852.4 ; 2290,2875.4 2306,2875.4 ; 2290,2875.9 2306,2875.9 ; 2290,2901.9 2295,2901.9 ; 2290,2931.4 2333,2931.4 ; 2290.5,2861.4 2295,2861.4 ; 2290.5,2874.9 2306,2874.9 ; 2290.5,2902.4 2295,2902.4 ; 2290.5,2991.9 2293.5,2991.9 ; 2291,2851.9 2331,2851.9 ; 2291,2860.9 2296,2860.9 ; 2291,2873.9 2306,2873.9 ; 2291,2874.4 2306,2874.4 ; 2291,2877.4 2306,2877.4 ; 2291,2902.9 2294.5,2902.9 ; 2291,2903.4 2294.5,2903.4 ; 2291,2931.9 2331.5,2931.9 ; 2291,2992.4 2294.5,2992.4 ; 2291.5,2851.4 2330,2851.4 ; 2291.5,2860.4 2297,2860.4 ; 2291.5,2873.4 2306,2873.4 ; 2291.5,2903.9 2294,2903.9 ; 2292,2872.9 2306,2872.9 ; 2292,2904.4 2293.5,2904.4 ; 2292,2904.9 2293.5,2904.9 ; 2292,2932.4 2330.5,2932.4 ; 2292,2992.9 2295.5,2992.9 ; 2292.5,2859.9 2298.5,2859.9 ; 2292.5,2872.4 2306,2872.4 ; 2292.5,2877.9 2306,2877.9 ; 2292.5,2993.4 2296.5,2993.4 ; 2293,2850.9 2328.5,2850.9 ; 2293,2871.4 2306,2871.4 ; 2293,2871.9 2306,2871.9 ; 2293.5,2859.4 2299.5,2859.4 ; 2293.5,2932.9 2329,2932.9 ; 2293.5,2993.9 2297.5,2993.9 ; 2294,2850.4 2327.5,2850.4 ; 2294,2870.9 2306,2870.9 ; 2294,2994.4 2299,2994.4 ; 2294.5,2858.9 2301,2858.9 ; 2294.5,2870.4 2306,2870.4 ; 2294.5,2878.4 2305.5,2878.4 ; 2295,2849.9 2326.5,2849.9 ; 2295,2858.4 2302.5,2858.4 ; 2295,2869.9 2306,2869.9 ; 2295,2933.4 2328,2933.4 ; 2295,2994.9 2315,2994.9 ; 2295.5,2869.4 2306,2869.4 ; 2296,2857.9 2304.5,2857.9 ; 2296,2868.9 2306,2868.9 ; 2296,2878.9 2305.5,2878.9 ; 2296.5,2849.4 2325,2849.4 ; 2296.5,2933.9 2326.5,2933.9 ; 2296.5,2995.4 2310.5,2995.4 ; 2297,2857.4 2308.5,2857.4 ; 2297,2868.4 2306,2868.4 ; 2297.5,2867.9 2306,2867.9 ; 2298,2848.9 2324,2848.9 ; 2298,2879.4 2305.5,2879.4 ; 2298,2934.4 2324.5,2934.4 ; 2298,2995.9 2306,2995.9 ; 2298.5,2856.9 2338,2856.9 ; 2298.5,2867.4 2306,2867.4 ; 2299,2866.9 2306,2866.9 ; 2299.5,2848.4 2322,2848.4 ; 2299.5,2879.9 2305,2879.9 ; 2300,2856.4 2337.5,2856.4 ; 2300,2934.9 2323,2934.9 ; 2300.5,2866.4 2306,2866.4 ; 2300.5,2910.4 2321,2910.4 ; 2300.5,2910.9 2321,2910.9 ; 2301,2909.9 2320.5,2909.9 ; 2301.5,2855.9 2336.5,2855.9 ; 2301.5,2865.9 2306,2865.9 ; 2301.5,2880.4 2305,2880.4 ; 2301.5,2908.9 2319.5,2908.9 ; 2301.5,2909.4 2320,2909.4 ; 2301.5,2911.4 2320,2911.4 ; 2302,2847.9 2319.5,2847.9 ; 2302,2908.4 2319,2908.4 ; 2302.5,2907.9 2319,2907.9 ; 2302.5,2994.4 2319,2994.4 ; 2303,2865.4 2306,2865.4 ; 2303,2907.4 2318.5,2907.4 ; 2303,2911.9 2318.5,2911.9 ; 2303,2935.4 2319.5,2935.4 ; 2303.5,2855.4 2336,2855.4 ; 2303.5,2886.4 2305.5,2886.4 ; 2303.5,2886.9 2305.5,2886.9 ; 2303.5,2906.4 2318,2906.4 ; 2303.5,2906.9 2318,2906.9 ; 2304,2885.9 2305,2885.9 ; 2304,2887.4 2304.5,2887.4 ; 2304,2905.9 2317.5,2905.9 ; 2304.5,2847.4 2317,2847.4 ; 2304.5,2864.9 2306,2864.9 ; 2304.5,2905.4 2317,2905.4 ; 2304.5,2912.4 2317,2912.4 ; 2305,2904.4 2316,2904.4 ; 2305,2904.9 2316.5,2904.9 ; 2305.5,2854.9 2335.5,2854.9 ; 2305.5,2903.9 2316,2903.9 ; 2306,2893.4 2307.5,2893.4 ; 2306,2893.9 2308,2893.9 ; 2306,2894.4 2307.5,2894.4 ; 2306,2903.4 2315.5,2903.4 ; 2306.5,2902.9 2315,2902.9 ; 2307,2854.4 2334.5,2854.4 ; 2307,2901.9 2314.5,2901.9 ; 2307,2902.4 2314.5,2902.4 ; 2307,2912.9 2315,2912.9